# Altium PCB AD-FMComms3_revA.PcbDoc (part 1 of 5) (continued)
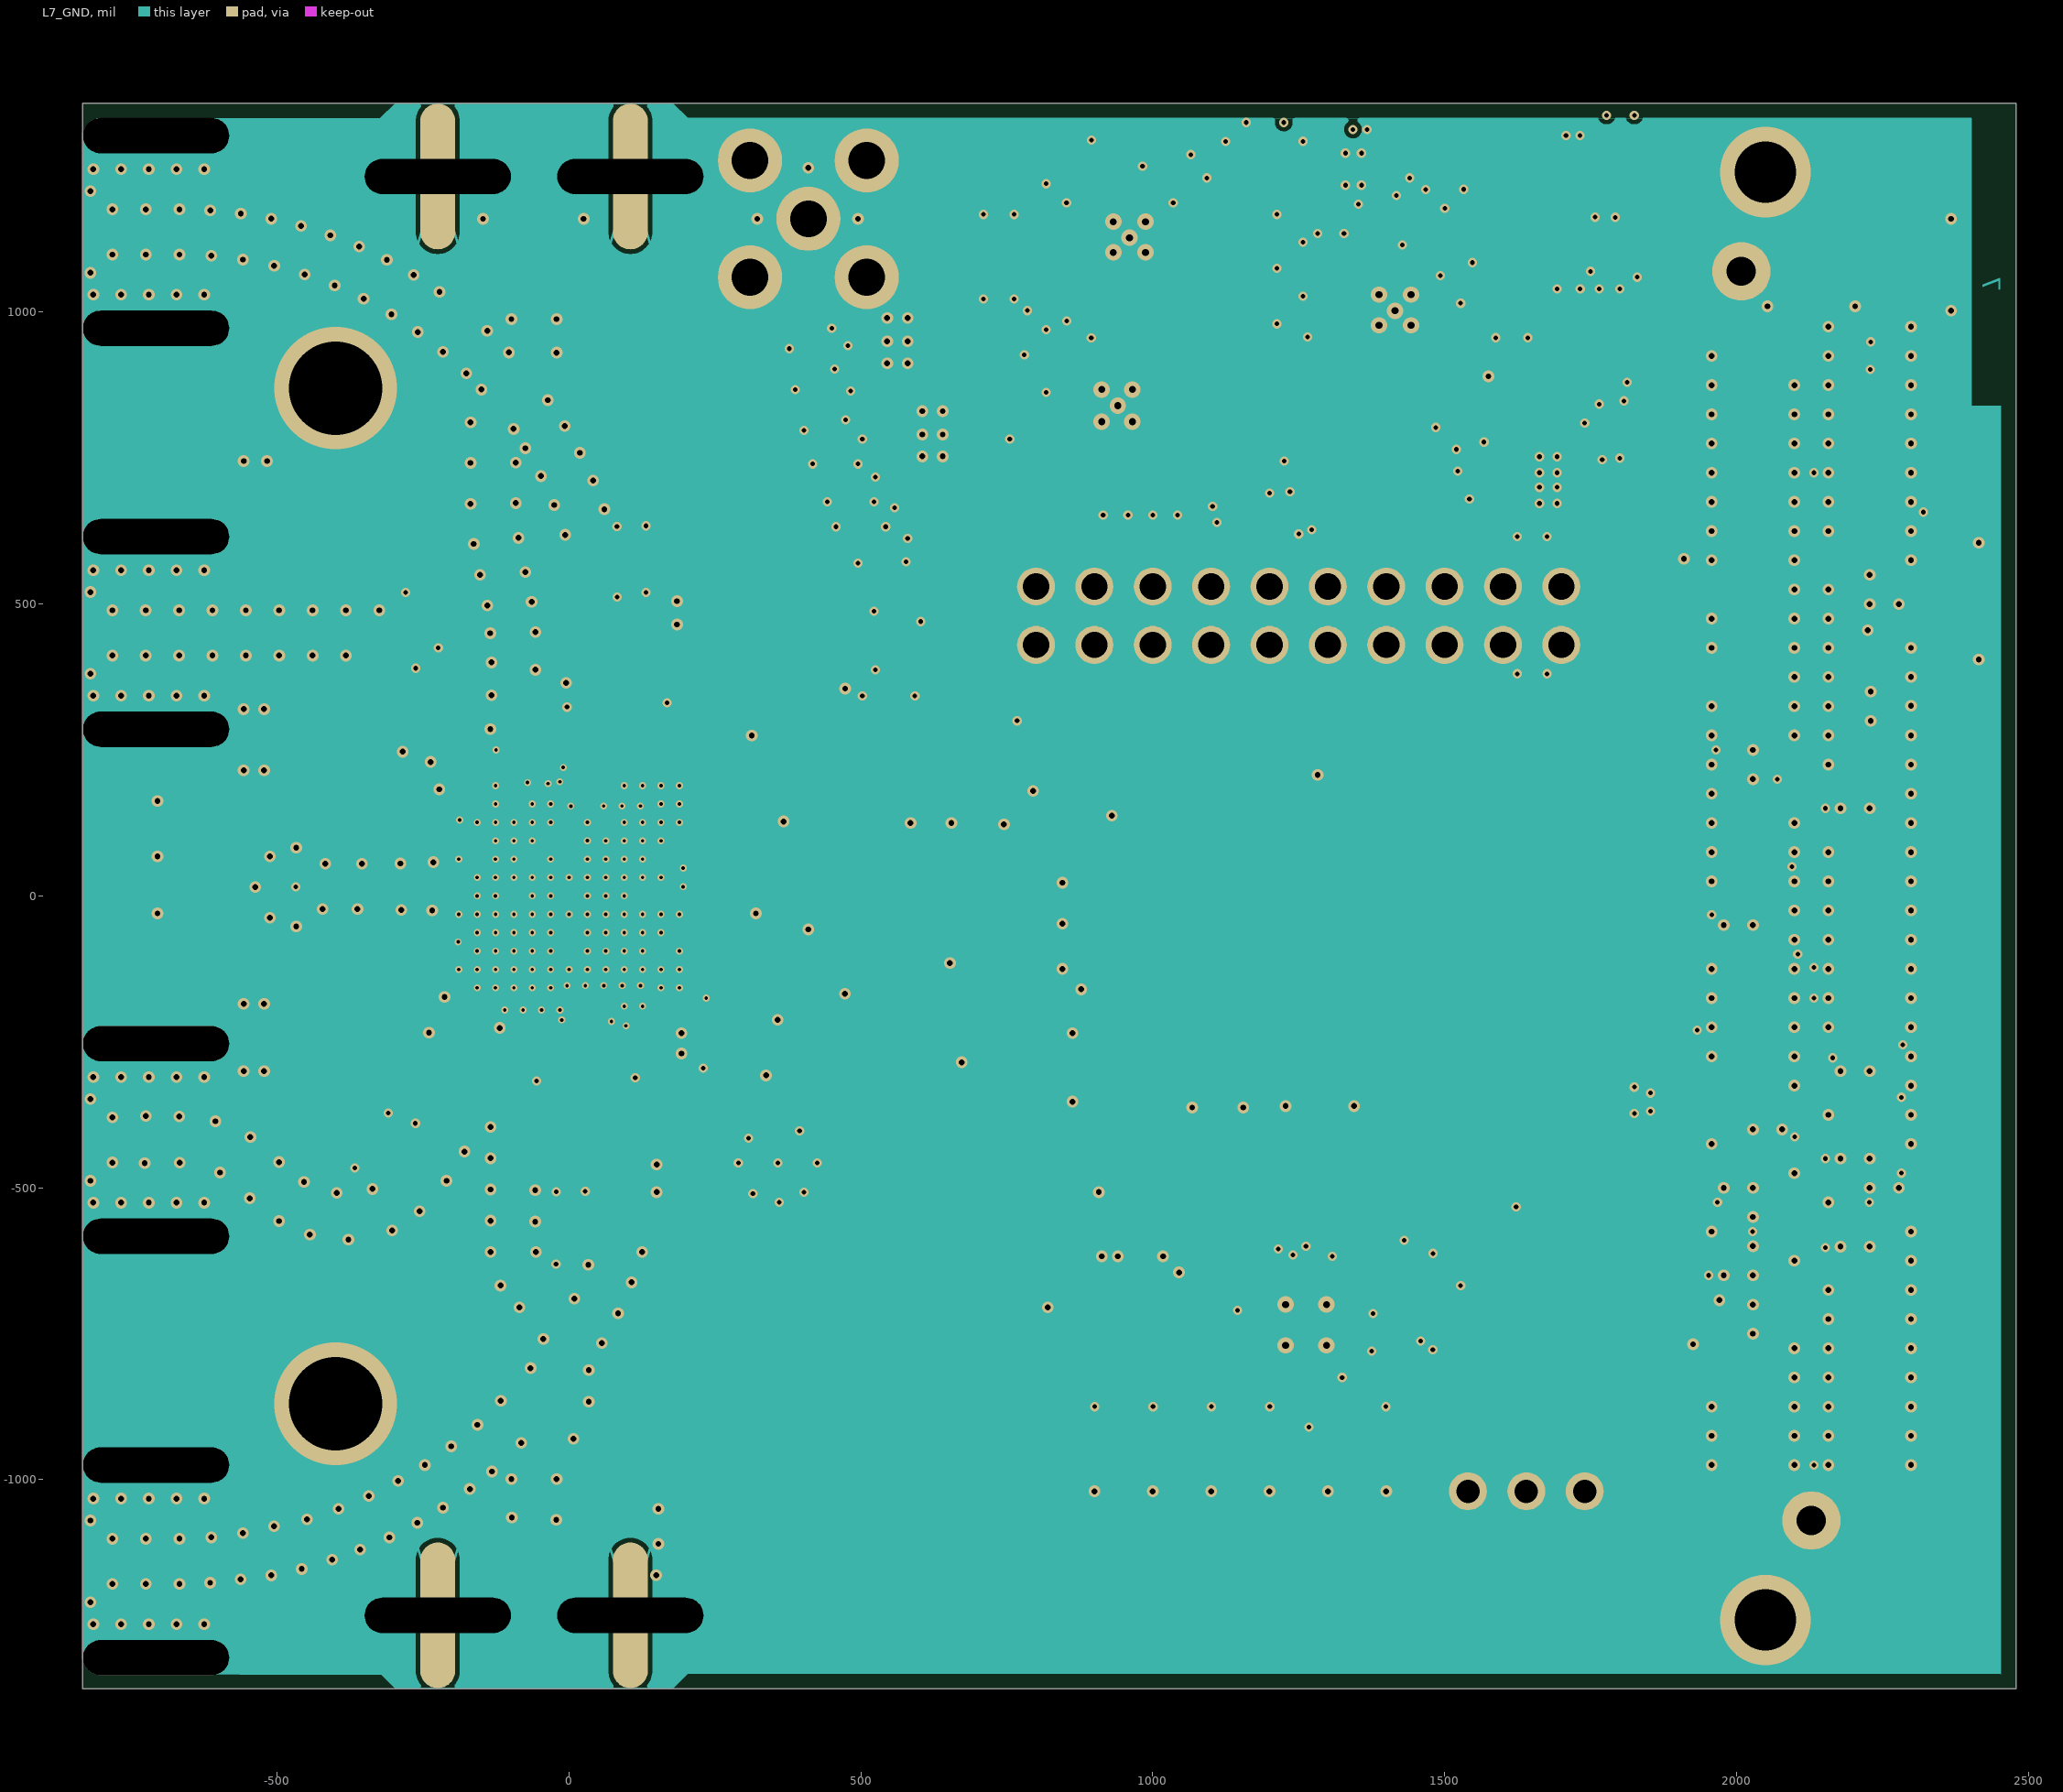
[diagram p7: L7_GND]
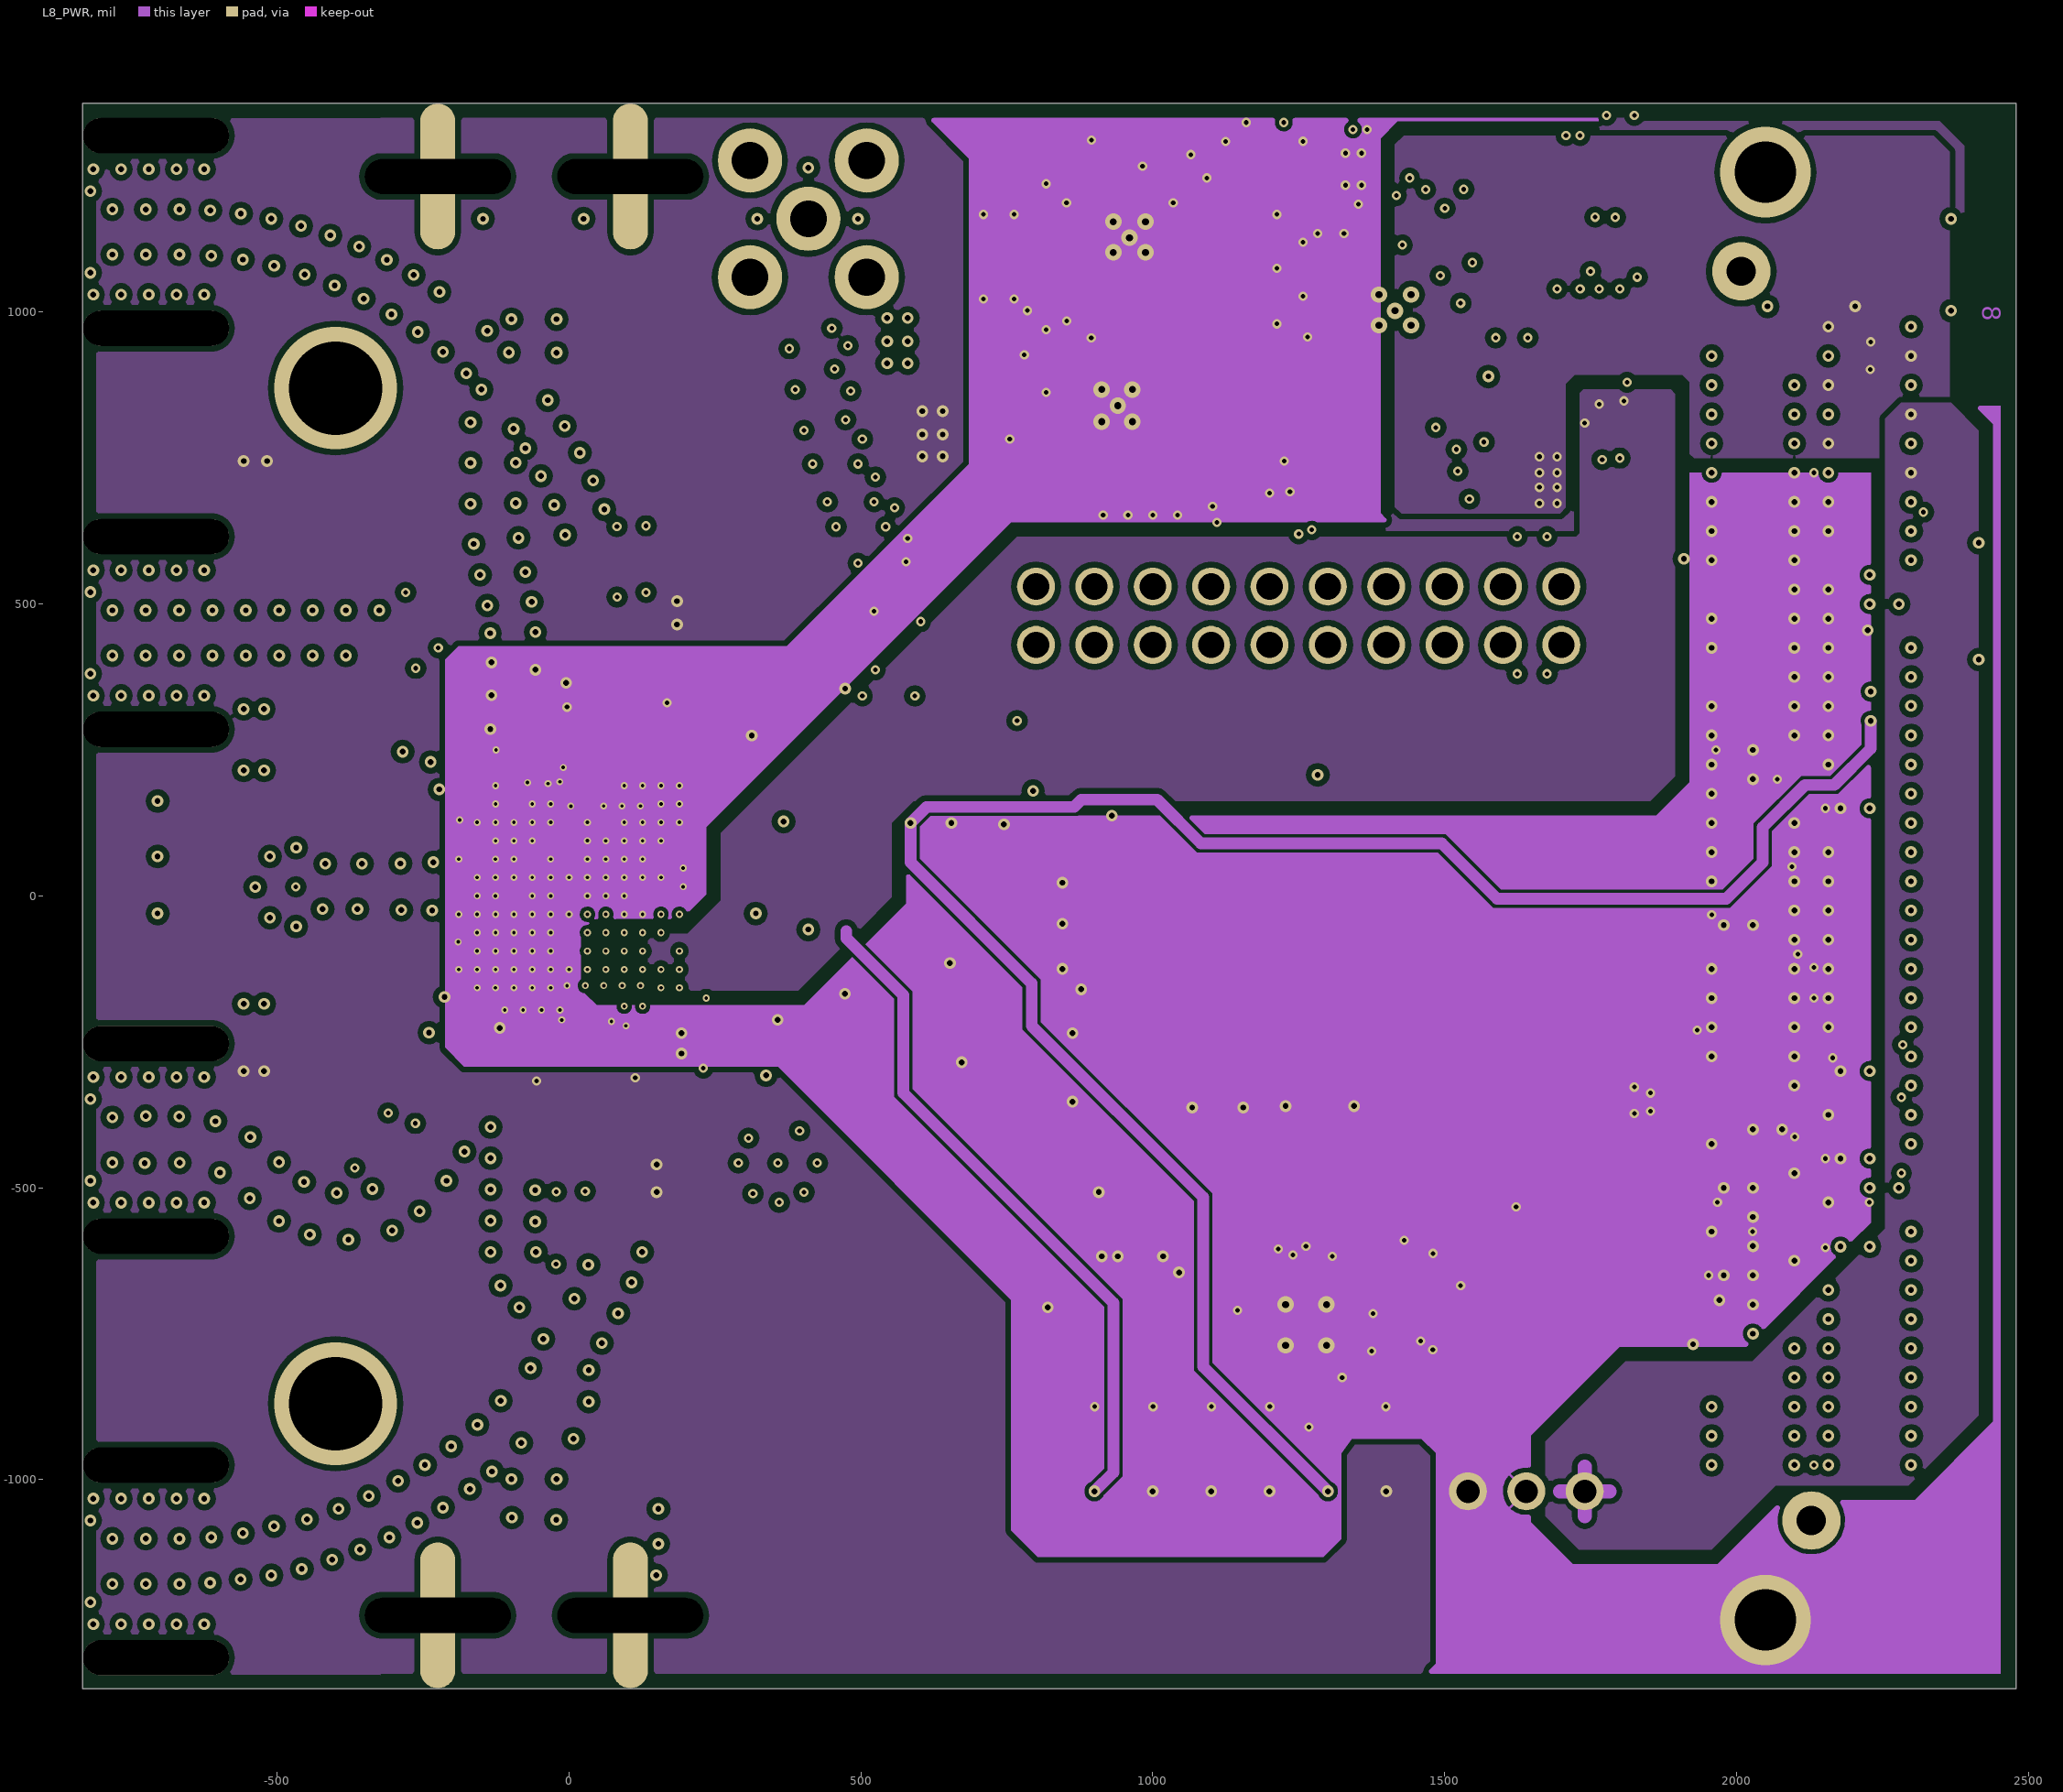
[diagram p8: L8_PWR]
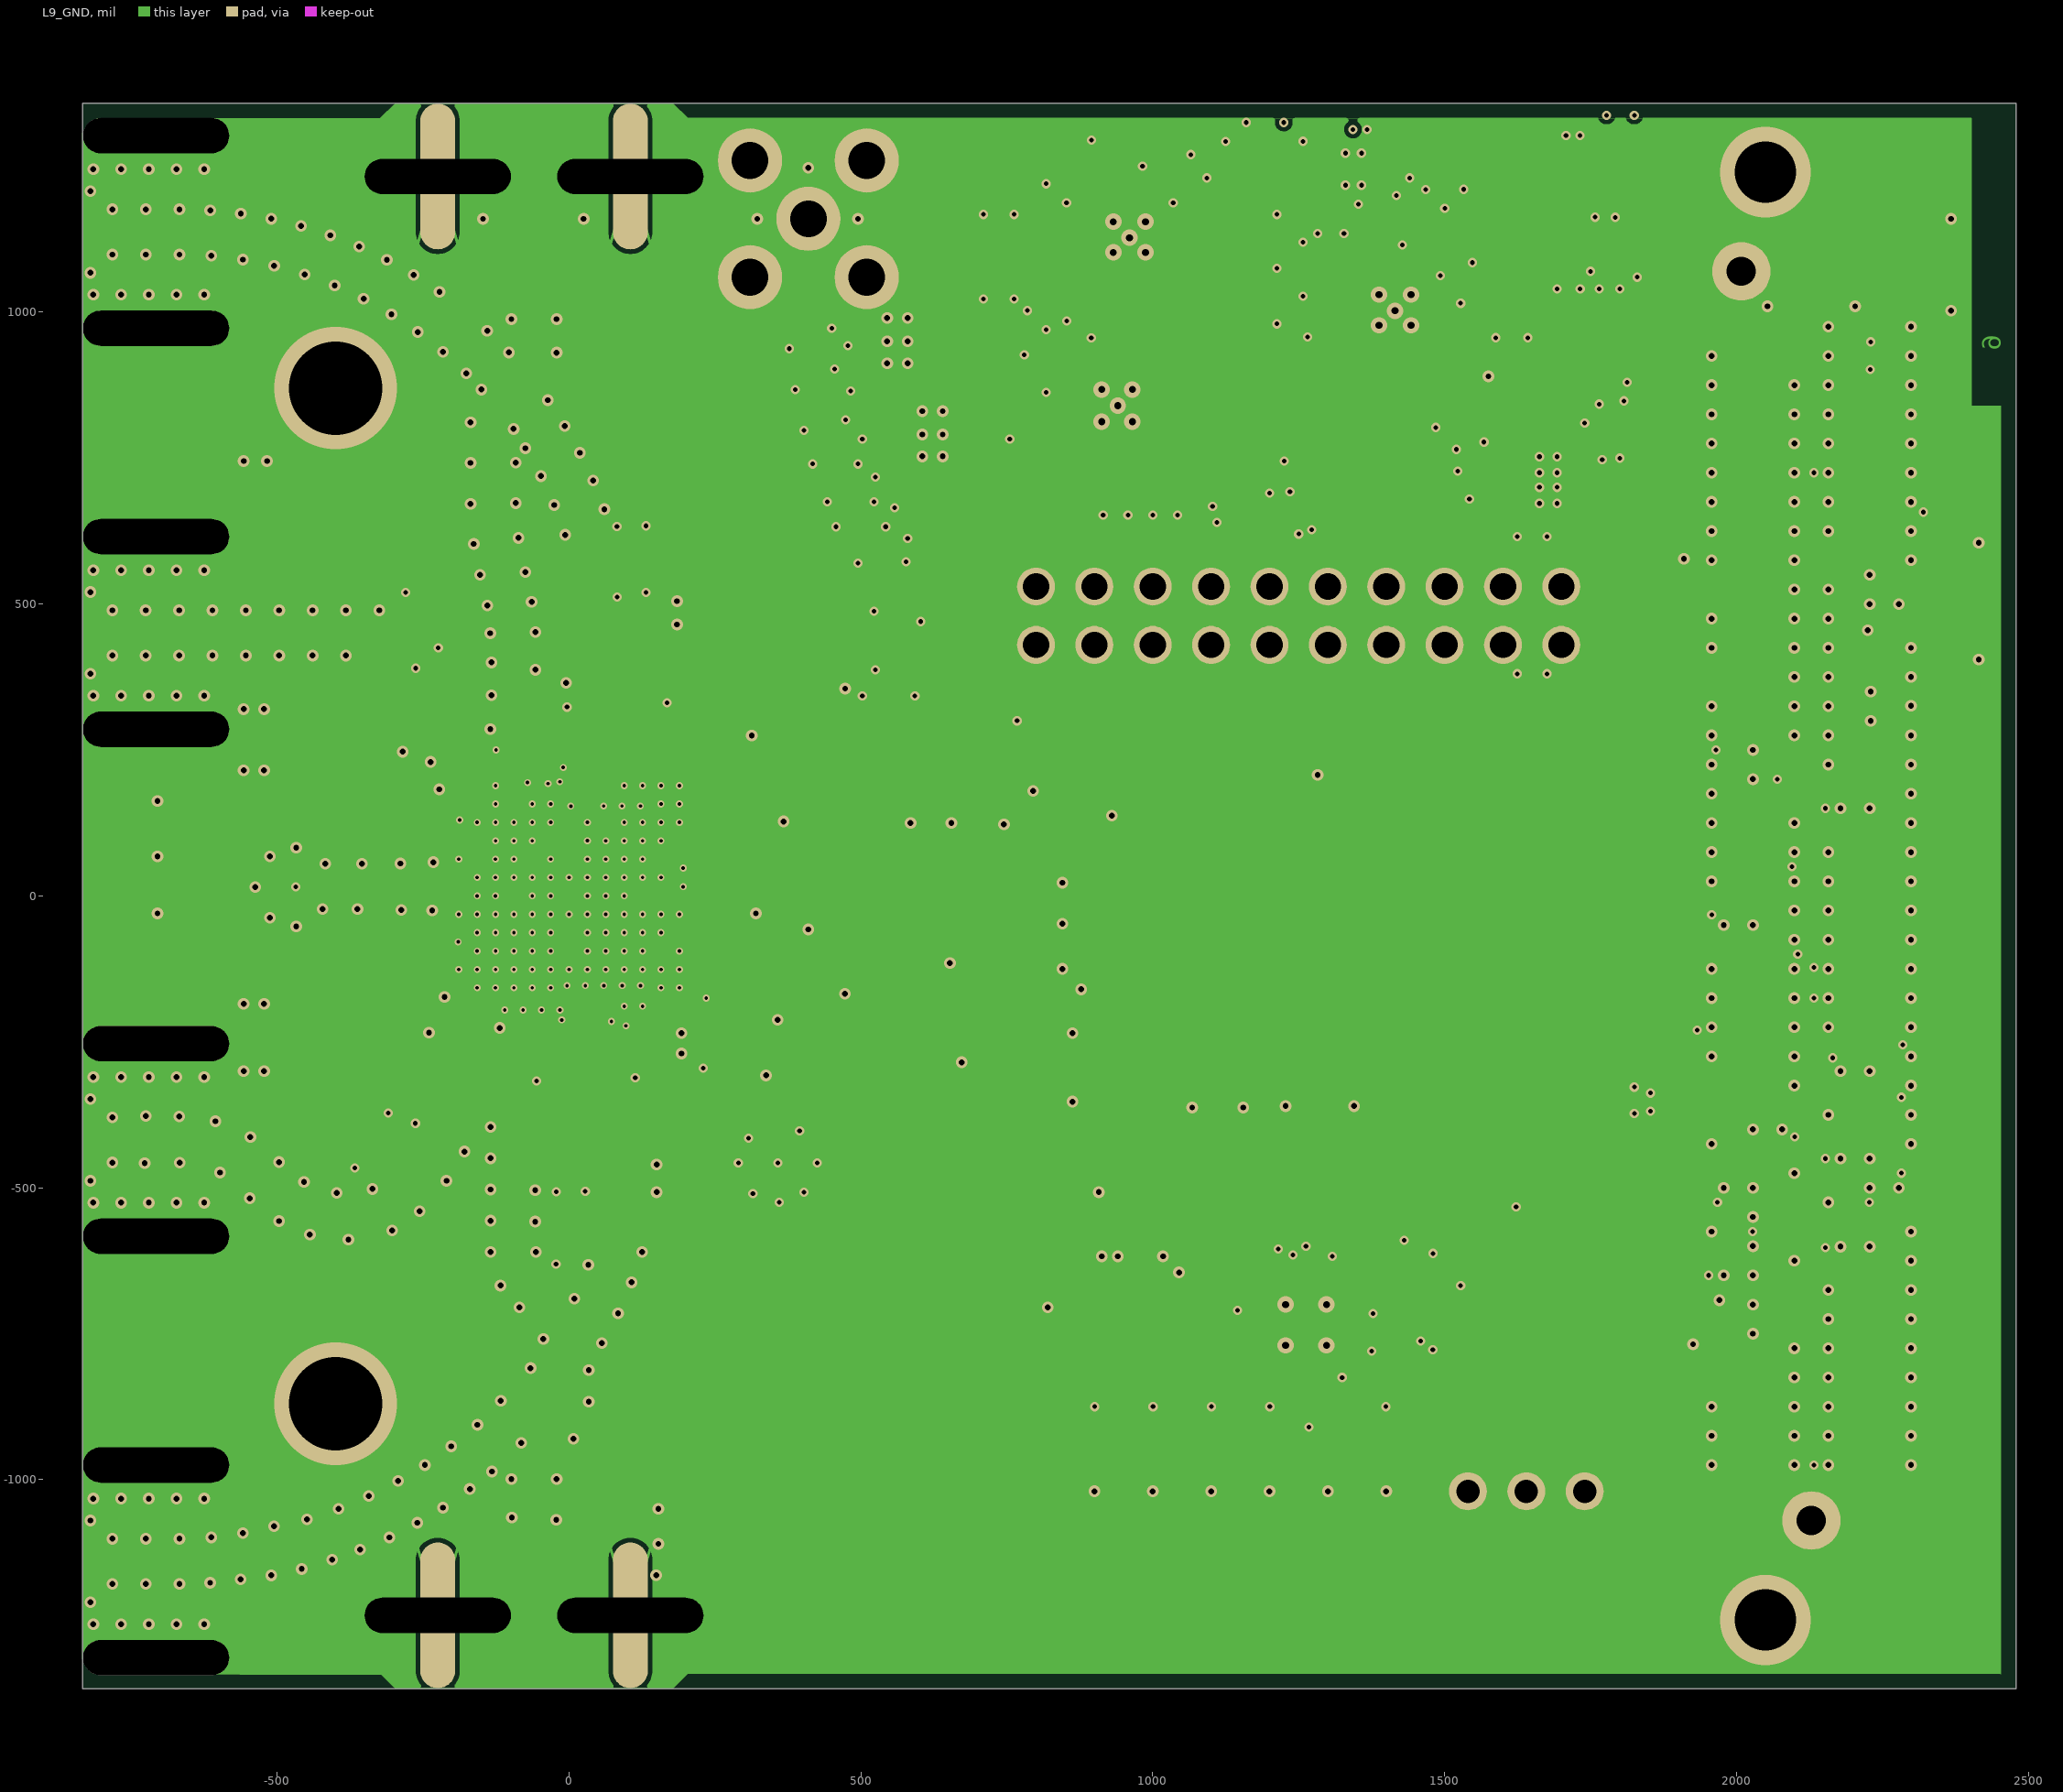
[diagram p9: L9_GND]

## Layer stack, top to bottom
Top Solder: solder mask 0.4, Solder Resist, Dk 3.5
TOP: signal copper 2.025
Dielectric 1: core 8, FR-4, Dk 3.38
L2_GND: signal copper 1.35
Dielectric2: core 3, BT_EPOXY, Dk 4.1
L3_PWR: signal copper 1.35
Dielectric3: core 3, FR-4, Dk 4.1
L4_GND: signal copper 1.35
Dielectric4: core 4.6, BT_EPOXY, Dk 4.1
L5_SIG: signal copper 1.35
Dielectric5: core 8, FR-4, Dk 4.1
L6_SIG: signal copper 1.35
Dielectric6: core 4.6, BT_EPOXY, Dk 4.1
L7_GND: signal copper 1.35
Dielectric7: core 3, FR-4, Dk 4.1
L8_PWR: signal copper 1.35
Dielectric8: core 3, BT_EPOXY, Dk 4.1
L9_GND: signal copper 1.35
Dielectric9: core 8, FR-4, Dk 3.38
BOTTOM: signal copper 2.025
Bottom Solder: solder mask 0.4, Solder Resist, Dk 3.5

## Board outline
-833.07,1357.91 2478.74,1357.91 2478.74,-1358.63 -833.07,-1358.63

## Design rules (kind name [scope] priority, off if disabled: settings)
Clearance [All] p1: gap=10 ignorepadtopadclearanceinfootprint=FALSE except(0: Arc-Hole Track-Hole SMDPad-Hole THPad-Hole Via-Hole Fill-Hole Poly-Hole Region-Hole Text-Hole)
DiffPairsRouting [All] p1: maxlimit=10 minlimit=10 mostfreqgap=10 toplayer_minwidth=15 toplayer_maxwidth=15 toplayer_prefwidth=15 midlayer1_minwidth=15 midlayer1_maxwidth=15 midlayer1_prefwidth=15 midlayer2_minwidth=15 midlayer2_maxwidth=15 midlayer2_prefwidth=15 midlayer3_minwidth=15 midlayer3_maxwidth=15 midlayer3_prefwidth=15 midlayer4_minwidth=15 midlayer4_maxwidth=15 midlayer4_prefwidth=15 midlayer5_minwidth=15 midlayer5_maxwidth=15 midlayer5_prefwidth=15 midlayer6_minwidth=15 midlayer6_maxwidth=15 midlayer6_prefwidth=15 midlayer7_minwidth=15 midlayer7_maxwidth=15 midlayer7_prefwidth=15 midlayer8_minwidth=15 midlayer8_maxwidth=15 midlayer8_prefwidth=15 bottomlayer_minwidth=15 bottomlayer_maxwidth=15 bottomlayer_prefwidth=15 maxuncoupledlength=500
PlaneConnect [All] p1: planeconnectstyle=Direct reliefexpansion=20 reliefentries=4 reliefconductorwidth=10 reliefairgap=10
PolygonConnect [All] p1: connectstyle=Direct reliefconductorwidth=10 reliefentries=4 polygonreliefangle="90 Angle" airgapwidth=10
RoutingVias [All] p1: holewidth=28 width=50 viastyle="Through Hole" minholewidth=28 minwidth=50 maxholewidth=28 maxwidth=50
SolderMaskExpansion [All] p1: expansion=4 istentingtop=FALSE
Width [All] p1: maxlimit=10 minlimit=10 preferedwidth=10 impedanceprofiledriven=TRUE minimp=60.000000 maximp=60.000000 favimp=60.000000
28 further rules are at their usual default settings.

## Classes and differential pairs
net class SINGLE-ENDED: CLK_OUT DATA_CLK_P RX1A_N RX1A_P RX2A_N RX2A_P RX_FRAME_P SYNC_IN TX1A_N TX1A_P TX2A_N TX2A_P XTALN
differential pair XTAL: +XTALN -XTALP
differential pair DIFFPAIR1: +TX2A_N -TX2A_P
differential pair DIFFPAIR14: +TX1A_N -TX1A_P
differential pair DIFFPAIR24: +TX_FRAME_N -TX_FRAME_P
differential pair DIFFPAIR30: +TX_D5_N -TX_D5_P
differential pair DIFFPAIR25: +TX_D4_N -TX_D4_P
differential pair DIFFPAIR26: +TX_D3_N -TX_D3_P
differential pair DIFFPAIR28: +TX_D2_N -TX_D2_P
differential pair DIFFPAIR29: +TX_D1_N -TX_D1_P
differential pair DIFFPAIR23: +TX_D0_N -TX_D0_P
differential pair DIFFPAIR3: +RX2A_N -RX2A_P
differential pair DIFFPAIR13: +RX1A_N -RX1A_P
differential pair DIFFPAIR16: +RX_FRAME_N -RX_FRAME_P
differential pair DIFFPAIR22: +RX_D5_N -RX_D5_P
differential pair DIFFPAIR15: +RX_D4_N -RX_D4_P
differential pair DIFFPAIR27: +RX_D3_N -RX_D3_P
differential pair DIFFPAIR20: +RX_D2_N -RX_D2_P
differential pair DIFFPAIR19: +RX_D1_N -RX_D1_P
differential pair DIFFPAIR18: +RX_D0_N -RX_D0_P
differential pair DIFFPAIR21: +FB_CLK_N -FB_CLK_P
differential pair DIFFPAIR17: +DATA_CLK_N -DATA_CLK_P

## Components (designator, comment, footprint, x,y, rotation, side; value= is the part's Value field where it differs from the comment)
C101 "CAP_SM-1000PF,25V,10,E006762,CB" C0201#1 -36.24,226.24 r270 top
C102 "CAP_SM-1000PF,25V,10,E006762,CB" C0201#2 -68.75,-227.5 r65 top
C104 "CAP_SM-1000PF,25V,10,E006762,CB" C0201#1 175,-142.5 r180 top
C105 "CAP_SM-1UF,6.3V,10,E007449,C04B" C0402 250,-110 r180 top
C106 "CAP_SM-18PF,50V,5,E017960,C020A" C0201#1 -171.93,272.31 r300 bottom
C107 "CAP_SM-18PF,50V,5,E017960,C020A" C0201#1 -206.57,252.31 r300 bottom
C108 "CAP_SM-18PF,50V,5,E017960,C020A" C0201#1 -206.57,-252.31 r60 bottom
C109 "CAP_SM-18PF,50V,5,E017960,C020A" C0201#1 -171.93,-272.31 r60 bottom
C113 "CAP_SM-0.1UF,6.3V,10,E011567,CB" C0201#3 432.21,271.39 r165 top
C116 "CAP_SM-1000PF,25V,10,E006762,CB" C0201#1 -142.5,19.28 r90 top
C117 "CAP_SM-1UF,6.3V,10,E007449,C04B" C0402 -245,25 r180 top
C118 "CAP_SM-1000PF,25V,10,E006762,CB" C0201#1 63.25,240.26 r0 top
C119 "CAP_SM-10UF,6.3V,20,E007143,C0B" C0603 63.25,290.26 r180 top
C120 "CAP_SM-1000PF,25V,10,E006762,CB" C0201#1 -20,-315 r90 top
C121 "CAP_SM-10UF,6.3V,20,E007143,C0B" C0603 25,-325 r270 top
C122 "CAP_SM-18PF,50V,5,E017960,C020A" C0201#1 101.82,367.76 r90 bottom
C123 "CAP_SM-18PF,50V,5,E017960,C020A" C0201#1 61.82,367.76 r90 bottom
C124 "CAP_SM-18PF,50V,5,E017960,C020A" C0201#1 8.17,-354.76 r270 bottom
C125 "CAP_SM-18PF,50V,5,E017960,C020A" C0201#1 48.17,-354.76 r270 bottom
C201 "CAP_SM-0.1UF,6.3V,10,E011567,CB" C0201#1 1720,1282.5 r0 top
C202 "CAP_SM-0.1UF,6.3V,10,E011567,CB" C0201#1 -144.25,-172.25 r0 top
C203 "CAP_SM-0.1UF,6.3V,10,E011567,CB" C0201#1 -200,-212.5 r90 top
C204 "CAP_SM-0.1UF,6.3V,10,E011567,CB" C0201#1 -5,141.25 r180 top
C205 "CAP_SM-0.1UF,6.3V,10,E011567,CB" C0201#1 1622.5,-520 r90 top
C211 "CAP_SM-0.1UF,6.3V,10,E011567,CB" C0201#1 1442.5,-612.5 r180 top
C212 "CAP_SM-1UF,6.3V,10,E007449,C04B" C0402 1437.5,-735 r0 top
C213 "CAP_SM-10UF,6.3V,20,E007143,C0B" C0603 1462.5,-667.5 r0 top
C214 "CAP_SM-10UF,6.3V,20,E007143,C0B" C0603 1447.5,-810 r0 top
C301 "CAP_SM-10UF,6.3V,20,E007143,C0B" C0603 1520,832.5 r270 top
C302 "CAP_SM-0.1UF,6.3V,10,E011567,CB" C0201#1 1470,855 r270 top
C303 "CAP_SM-0.1UF,6.3V,10,E011567,CB" C0201#1 1567.5,817.5 r270 top
C304 "CAP_SM-1UF,6.3V,10,E007449,C04B" C0402 1615,977.5 r270 top
C305 "CAP_SM-47UF,6.3V,10,E008247,C0B" C0805H60 1195,902.5 r270 top
C306 "CAP_SM-0.1UF,6.3V,10,E011567,CB" C0201#1 1225,777.5 r270 top
C307 "CAP_SM-0.1UF,6.3V,10,E011567,CB" C0201#1 1265,925 r90 top
C308 "CAP_SM-47UF,6.3V,10,E008247,C0B" C0805H60 1177.5,1027.5 r180 top
C309 "CAP_SM-47UF,6.3V,10,E008247,C0B" C0805H60 1177.5,1120 r180 top
C310 "CAP_SM-0.1UF,6.3V,10,E011567,CB" C0201#1 885,985 r180 top
C311 "CAP_SM-0.01UF,10V,10,E007201,CB" C0201#1 960,1270 r0 top
C312 "CAP_SM-10UF,6.3V,20,E007143,C0B" C0603 817.5,1155 r90 top
C313 "CAP_SM-10UF,6.3V,20,E007143,C0B" C0603 817.5,1035 r270 top
C314 "CAP_SM-0.1UF,6.3V,10,E011567,CB" C0201#1 710,1135 r90 top
C315 "CAP_SM-0.1UF,6.3V,10,E011567,CB" C0201#1 762.5,1135 r90 top
C316 "CAP_SM-0.1UF,6.3V,10,E011567,CB" C0201#1 1327.5,1167.5 r270 top
C317 "CAP_SM-0.1UF,6.3V,10,E011567,CB" C0201#1 1282.5,1167.5 r270 top
C318 "CAP_SM-0.1UF,6.3V,10,E011567,CB" C0201#1 1092.5,1197.5 r90 top
C319 "CAP_SM-0.1UF,6.3V,10,E011567,CB" C0201#1 1785,860 r90 top
C320 "CAP_SM-1UF,6.3V,10,E007449,C04B" C0402 190,-205 r0 top
C321 "CAP_SM-0.01UF,10V,10,E007201,CB" C0201#1 107.5,-137.5 r90 top
C322 "CAP_SM-0.01UF,10V,10,E007201,CB" C0201#1 -142.51,-42.5 r0 top
C323 "CAP_SM-1UF,6.3V,10,E007449,C04B" C0402 -210,-35 r90 top
C324 "CAP_SM-1UF,6.3V,10,E007449,C04B" C0402 -215,-130 r270 top
C325 "CAP_SM-0.01UF,10V,10,E007201,CB" C0201#1 -169.25,-112.24 r270 top
C326 "CAP_SM-0.01UF,10V,10,E007201,CB" C0201#1 -165,152.5 r270 top
C327 "CAP_SM-1UF,6.3V,10,E007449,C04B" C0402 -197.5,177.5 r90 top
C328 "CAP_SM-1UF,6.3V,10,E007449,C04B" C0402 -207.5,85 r270 top
C329 "CAP_SM-0.01UF,10V,10,E007201,CB" C0201#1 -142.5,77.5 r270 top
C330 "CAP_SM-0.01UF,10V,10,E007201,CB" C0201#1 141,-17.5 r180 top
C331 "CAP_SM-1UF,6.3V,10,E007449,C04B" C0402 227.5,-40 r270 top
C332 "CAP_SM-1UF,6.3V,10,E007449,C04B" C0402 -100,216.25 r0 top
C333 "CAP_SM-0.01UF,10V,10,E007201,CB" C0201#1 -102.5,157.5 r180 top
C334 "CAP_SM-0.01UF,10V,10,E007201,CB" C0201#1 110,170 r270 top
C335 "CAP_SM-1UF,6.3V,10,E007449,C04B" C0402 65,170 r270 top
C336 "CAP_SM-1UF,6.3V,10,E007449,C04B" C0402 110,-255 r180 top
C337 "CAP_SM-0.01UF,10V,10,E007201,CB" C0201#1 110,-212.5 r180 top
C338 "CAP_SM-0.1UF,6.3V,10,E011567,CB" C0201#1 762.5,1055 r270 top
C339 "CAP_SM-0.1UF,6.3V,10,E011567,CB" C0201#1 710,1055 r270 top
C340 "CAP_SM-0.01UF,10V,10,E007201,CB" C0201#1 800,840 r90 top
C341 "CAP_SM-10UF,6.3V,20,E007143,C0B" C0603 1122.5,787.5 r0 top
C342 "CAP_SM-10UF,6.3V,20,E007143,C0B" C0603 1122.5,730 r0 top
C343 "CAP_SM-0.1UF,6.3V,10,E011567,CB" C0201#1 957.5,685 r270 top
C344 "CAP_SM-0.1UF,6.3V,10,E011567,CB" C0201#1 1042.5,685 r270 top
C345 "CAP_SM-0.1UF,6.3V,10,E011567,CB" C0201#1 1000,685 r270 top
C346 "CAP_SM-0.1UF,6.3V,10,E011567,CB" C0201#1 915,685 r270 top
C347 "CAP_SM-0.1UF,6.3V,10,E011567,CB" C0201#1 1440,1262.5 r270 top
C348 "CAP_SM-0.1UF,6.3V,10,E011567,CB" C0201#1 1355,1292.5 r0 top
C354 "CAP_SM-1UF,6.3V,10,E007449,C04B" C0402 285,30 r270 bottom
C355 "CAP_SM-0.01UF,10V,10,E007201,CB" C0201#1 245,30 r270 bottom
C356 "CAP_SM-0.01UF,10V,10,E007201,CB" C0201#1 180,30 r270 top
C357 "CAP_SM-1UF,6.3V,10,E007449,C04B" C0402 220,45 r270 top
C358 "CAP_SM-1UF,6.3V,10,E007449,C04B" C0402 12.5,-230 r270 top
C359 "CAP_SM-0.01UF,10V,10,E007201,CB" C0201#1 50,-140 r90 top
C360 "CAP_SM-0.01UF,10V,10,E007201,CB" C0201#1 30,-175 r180 top
C361 "CAP_SM-1UF,6.3V,10,E007449,C04B" C0402 47.5,-230 r270 top
C362 "CAP_SM-10UF,6.3V,20,E007143,C0B" C0603 1500,1242.5 r270 top
C363 "CAP_SM-10UF,6.3V,20,E007143,C0B" C0603 1192.5,1292.5 r180 top
C364 "CAP_SM-0.1UF,6.3V,10,E011567,CB" C0201#1 1585,680 r180 top
C365 "CAP_SM-10UF,6.3V,20,E007143,C0B" C0603 1592.5,727.5 r180 top
DS21 "DIOLED_SM-LNJ308G8TRA (GREEN),B" LED0603 1217.5,1242.5 r0 bottom
E301 "FERRITE_SM-39OHM,N/A,E002359,LB" L0805 1097.5,902.5 r90 top
E302 "FERRITE_SM-75OHM,25,E017348,L0B" L0402 1740,860 r270 top
E303 "FERRITE_SM-75OHM,25,E017348,L0B" L0402 1322.5,1245 r180 top
E312 "FERRITE_SM-75OHM,25,E017348,L0B" L0402 1365,1245 r180 top
J101 "CNBNC5P_SM-JOHNSON142-0701-851B" CNJOHNSON142-0701-851#1 -60,1222.5 r90 top
J102 "CNBNC5P_SM-JOHNSON142-0701-851B" CNJOHNSON142-0701-851#1 -60,-1222.5 r270 top
J105 "CNBNC5P_TH-142-0701-201,E00091B" CNJOHNSON142-0701-201 410,1160 r0 bottom
J110 "CNBNC5P_SM-JOHNSON142-0701-851B" CNJOHNSON142-0701-851#2 -697.5,450.53 r0 bottom
J111 "CNBNC5P_SM-JOHNSON142-0701-851B" CNJOHNSON142-0701-851#2 -697.5,-418.03 r0 bottom
J112 "CNBNC5P_SM-JOHNSON142-0701-851B" CNJOHNSON142-0701-851#2 -697.5,1137.5 r0 bottom
J113 "CNBNC5P_SM-JOHNSON142-0701-851B" CNJOHNSON142-0701-851#2 -697.5,-1140 r0 bottom
L101 "IND_SM-330NH,5,E006599,L0805-FA" L0805-F#1 157.79,288.5 r0 bottom
L103 "IND_SM-330NH,5,E006599,L0805-FA" L0805-F#2 -0.21,289 r0 bottom
L105 "IND_SM-330NH,5,E006599,L0805-FA" L0805-F#2 -47.8,-276.5 r0 bottom
L107 "IND_SM-330NH,5,E006599,L0805-FA" L0805-F#1 110.2,-276 r0 bottom
L301 "IND_SM-2.2UH,20,E016651,LSMSQ1B" LSMSQ157H83 1347.5,787.5 r180 top